# Altium PCB ES_Class6C_2L.PcbDoc (part 2 of 2)
Units mm, origin at the board's own origin, x right, y up, seen from the top; angles counter-clockwise.
Board outline 35 x 74.03 mm, 4 copper layers (Top Layer, Layer 1, Layer 2, Bottom Layer), stack 1.536 mm thick; 108 components, 95 nets, 399 pads, 264 vias.
Unrouted connection lines stored in the file: 113.
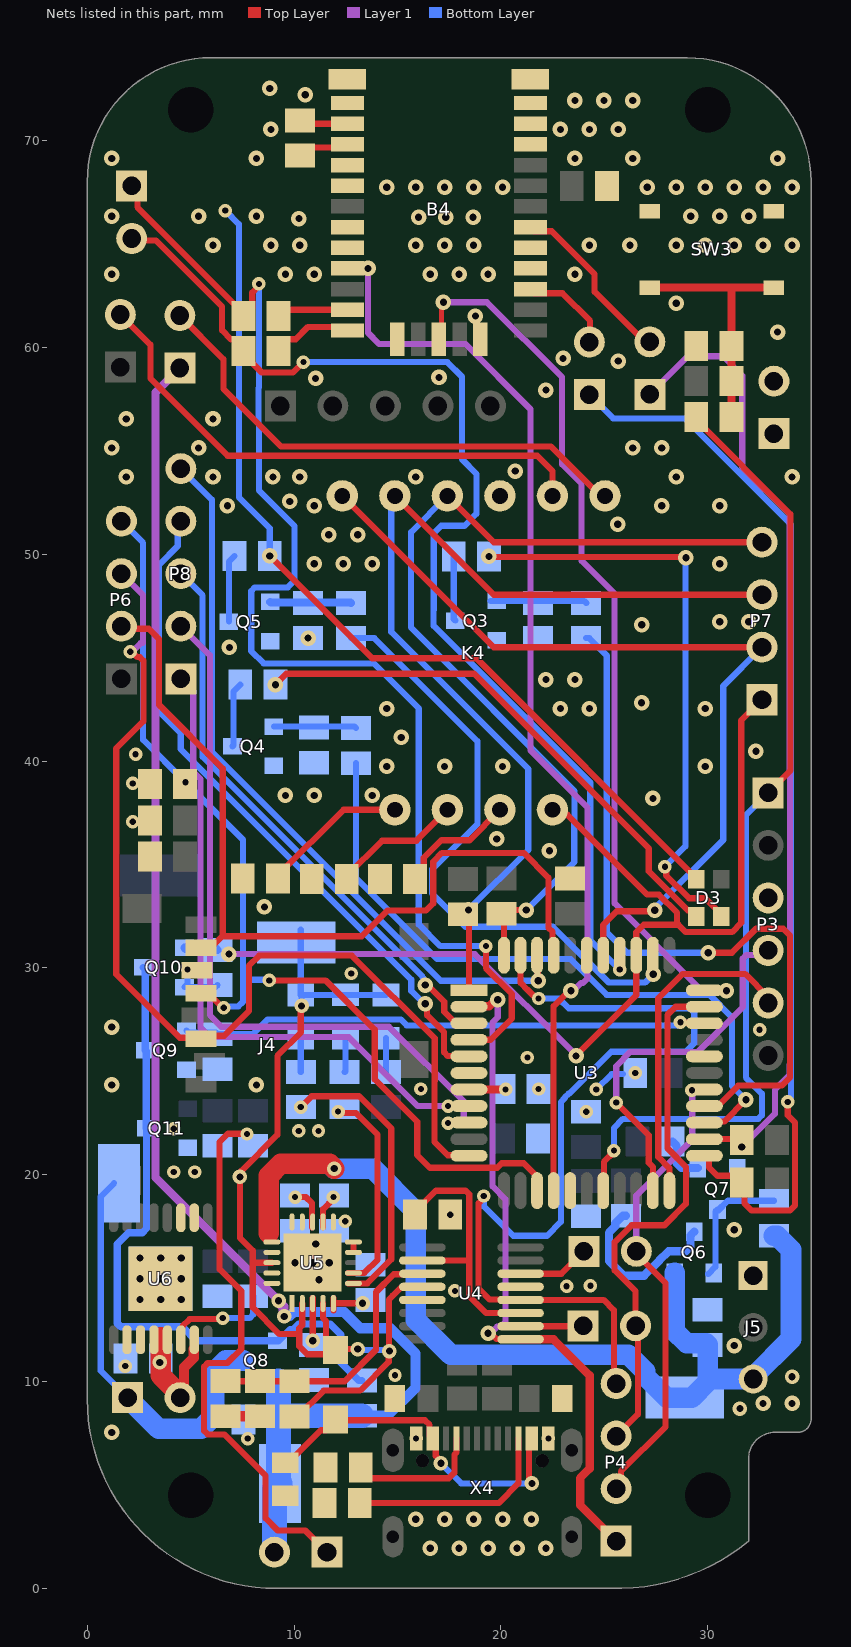
[diagram p4: the nets of this part, all layers, seen from the top]

## Via types
v1: diameter 0.75, hole 0.35, Top Layer to Bottom Layer, 170 vias
v2: diameter 0.65, hole 0.3, Top Layer to Bottom Layer, 65 vias
v3: diameter 0.7, hole 0.35, Top Layer to Bottom Layer, 29 vias

## Nets (pads, with @x,y where several pads share a name; then routed paths per layer and width w, separated by ;. In a path a pad name is that pad's centre, name@x,y a point inside that pad or via, vN(x,y) a via of type N, cw(c..) or ccw(c..) an arc to the next point about the centre after c; other vN are vias at no path point) (continued)
GND: B4.4 B4.5 B4.10 B4.11 B4.12 B4.13 B4.14 B4.15 B4.18 B4.19 B4.21 B4.22 B4.27 B4.31 C3.2 C4.2 C5.2 C6.2 C8.2 C9.2 C10.2 C11.2 C12.2 C13.2 C14.1 C15.1 C16.1 C17.1 C18.2 C19.2 C20.2 C21.2 C22.2 GND.1 GND.2 J4.6 J5.1 K4.3 P3.3 Q3.2 Q4.2 Q5.2 Q7.2 Q9.2 Q10.2 Q11.2 R11.1 R13.1 R15.1 R16.2 R17.2 R21.1 R22.1 R23.1 R24.1 R33.1 R34.1 R35.1 R36.1 R37.1 R42.1 R43.1 R44.1 SW3.3 SW3.4 U3.6 U3.16 U3.29 U3.39 U4.5 U4.13 U5.9 U5.10 U5.11 U5.21 U6.10 U6.11 X4.A1B12 X4.B1A12 | length 6.2
  Top Layer w0.3: U5.9@12.87,16.3 U5.10@12.87,16.7
  Top Layer w0.5: C17.1@6.675,8.325 R21.1@8.35,8.325
  Bottom Layer w0.3: v2(4.851,29.925) 4.851,29.226 Q10.2@4.7,29.075 6.2,29.075 R44.1@6.3,29.175 ; v2(24.614,24.128) 25.355,24.869 25.904,24.869
  other v1: 16.58,1.946 17.98,1.946 19.38,1.946 20.78,1.946 22.18,1.946 15.88,3.346 17.28,3.346 18.68,3.346 20.08,3.346 21.48,3.346 1.18,7.546 32.68,8.946 34.08,8.946 31.28,11.746 2.55,13.975 3.55,13.975 4.55,13.975 2.55,14.975 3.55,14.975 4.55,14.975 2.55,15.975 3.55,15.975 4.55,15.975 31.28,17.346 1.18,24.346 8.18,24.346 1.18,27.146 8.57,32.952 22.349,35.673 19.805,36.241 27.355,38.196 9.58,38.346 10.98,38.346 13.78,38.346 14.48,39.746 17.28,39.746 20.08,39.746 29.88,39.746 32.335,40.475 15.18,41.146 14.48,42.546 22.88,42.546 24.28,42.546 29.88,42.546 26.801,42.824 22.18,43.946 23.58,43.946 6.874,45.499 10.675,45.95 26.815,46.596 30.58,46.746 31.98,46.746 10.98,49.546 12.38,49.546 13.78,49.546 30.58,49.546 11.68,50.946 13.08,50.946 25.65,51.459 6.78,52.346 10.98,52.346 27.78,52.346 30.58,52.346 9.793,52.559 1.88,53.746 6.08,53.746 8.976,53.746 10.28,53.746 15.88,53.746 28.48,53.746 34.08,53.746 20.7,54.026 1.18,55.146 5.38,55.146 26.38,55.146 27.78,55.146 1.88,56.546 6.08,56.546 22.18,57.946 11.038,58.508 17.008,58.557 25.68,59.346 23.005,59.471 33.38,60.746 18.768,61.52 28.48,62.146 1.18,63.546 9.58,63.546 10.98,63.546 16.58,63.546 17.98,63.546 19.38,63.546 23.58,63.546 6.08,64.946 8.88,64.946 10.28,64.946 15.88,64.946 17.28,64.946 18.68,64.946 24.28,64.946 26.241,64.946 28.48,64.946 29.88,64.946 31.28,64.946 32.68,64.946 34.08,64.946 10.236,66.234 16.018,66.306 17.333,66.306 18.655,66.306 1.18,66.346 5.38,66.346 8.18,66.346 29.18,66.346 30.58,66.346 31.98,66.346 14.48,67.746 15.88,67.746 17.28,67.746 18.68,67.746 20.08,67.746 27.08,67.746 28.48,67.746 29.88,67.746 31.28,67.746 32.68,67.746 34.08,67.746 1.18,69.146 8.18,69.146 23.58,69.146 26.38,69.146 33.38,69.146 8.88,70.546 22.88,70.546 24.28,70.546 25.68,70.546 23.58,71.946 24.98,71.946 26.38,71.946 10.545,72.221 8.825,72.529
  other v2: 7.76,7.246 15.9,7.255 22.3,7.255 14.881,10.306 1.837,10.751 17.776,14.384 23.18,14.616 24.329,14.639 12.475,17.75 17.55,18.073 4.18,20.136 5.197,20.136 10.23,22.124 11.183,22.124 4.18,22.226 24.125,23.05 16.135,24.15 21.825,24.15 26.5,24.925 21.286,25.672 32.506,27.012 12.766,29.735 2.2,37.075 2.2,38.925 2.34,40.339
  other v3: 31.559,8.699 34.08,10.237 11.2,14.925 10.05,15.75 10.9,15.75 11.7,15.75 11.05,16.65
INT_IMU: K4.7 P7.1 Q10.1 R44.2 U3.36 | length 53.1
  Top Layer w0.3: K4.7@22.495,37.65 22.729,37.416 23.216,37.416 27.081,33.551 27.639,33.551 28.519,32.671 28.519,32.152 28.582,32.089 ; v1(23.637,25.749) 23.637,25.777 26.55,28.69 U3.36@26.55,30.616 26.55,31.672 26.55,31.732 26.907,32.089 28.582,32.089 ; P7.1@32.625,42.97 31.625,41.97 31.625,32.183 31.181,31.739 28.932,31.739 28.582,32.089
  Layer 1 w0.3: v1(6.849,30.675) 18.739,30.675 23.637,25.777 v1(23.637,25.749)
  Bottom Layer w0.4: Q10.1@4.7,30.975 4.75,30.925 6.25,30.925 R44.2@6.3,30.875
LED_B: R10.2 U3.26 | length 36.2
  Top Layer w0.3: U3.26@29.841,23.325 30.478,23.325 31.468,24.315 33.59,24.315 33.976,24.701 33.976,31.574 33.649,31.901 32.335,31.901 31.171,30.737 v1(30.025,30.737)
  Bottom Layer w0.3: R10.2@24.125,45.95 24.275,45.95 25.115,45.11 25.115,31.73 26.108,30.737 v1(30.025,30.737)
LED_G: R12.2 U3.25 | length 33.2
  Top Layer w0.3: U3.25@29.841,22.525 29.892,22.576 30.796,22.576 v1(31.846,23.626)
  Bottom Layer w0.3: R12.2@13,39.9 13,34.344 16.912,30.431 23.388,30.431 25.12,28.7 30.088,28.7 31.17,27.618 31.17,24.302 v1(31.846,23.626)
LED_R: R14.2 U3.35 | length 30
  Top Layer w0.3: U3.35@27.35,30.616 27.372,30.594 v1(27.372,29.694)
  Bottom Layer w0.3: R14.2@12.75,45.95 13.877,45.95 18.865,40.962 18.865,36.961 16.684,34.78 16.684,33.599 18.289,31.995 22.516,31.995 25.211,29.299 26.971,29.299 27.366,29.694 v1(27.372,29.694)
MCLR: P3.1 R6.1 U3.18 | length 47.5
  Top Layer w0.3: U3.18@24.95,19.234 24.982,19.266 24.982,20.621 25.464,21.103 v2(25.464,21.171) ; R6.1@29.45,56.65 29.45,56.5 34,51.95 34,39.545 P3.1@32.925,38.47
  Bottom Layer w0.3: v2(25.464,21.171) 25.464,22.26 25.904,22.7 32.449,22.7 32.625,22.876 32.625,23.925 31.846,24.704 31.846,37.391 P3.1@32.925,38.47
MISO: J4.7 P6.2 U3.41 | length 41.9
  Top Layer w0.3: P6.2@1.65,46.525 1.769,46.406 2.974,46.406 3.474,45.906 3.474,42.717 6.551,39.64 6.551,31.56 6.523,31.532 ; J4.7@5.5,30.985 J4.7@6.1,31.11 ; J4.7@6.101,31.11 6.523,31.532 ; U3.41@22.55,30.616 22.499,30.667 22.499,31.75 22.301,31.948 22.301,34.366 21.102,35.565 17.15,35.565 16.726,35.142 16.726,33.125 16.374,32.773 14.517,32.773 13.276,31.532 6.523,31.532
MOSI: J4.3 P6.3 U3.11 | length 49.2
  Top Layer w0.3: v2(2.074,45.293) 2.169,45.293 2.426,45.036 2.542,45.036 2.715,44.863 2.715,41.93 1.401,40.616 1.401,33.702 1.399,33.7 1.399,32.05 1.401,32.048 1.401,29.698 4.476,26.623 5.461,26.623 J4.3@5.5,26.585 ; J4.3@5.65,26.575 5.799,26.724 6.624,26.724 7.82,27.92 7.82,30.105 8.316,30.601 12.8,30.601 16.801,26.6 16.801,24.55 16.795,24.544 16.795,21.58 17.431,20.944 18.439,20.944 U3.11@18.459,20.925
  Layer 1 w0.3: P6.3@1.65,49.065 2.701,48.014 2.701,45.709 2.585,45.709 2.169,45.293 v2(2.074,45.293)
NC1: P8.1 U3.8 | length 31.8
  Top Layer w0.3: v2(17.45,23.325) U3.8@18.459,23.325
  Layer 1 w0.3: P8.1@4.525,43.985 5.125,43.385 5.125,39.487 5.477,39.135 5.477,27.098 5.917,26.658 12.64,26.658 15.973,23.325 v2(17.45,23.325)
NC2: P8.2 U3.9 | length 36.1
  Top Layer w0.3: v2(17.45,22.5) 17.462,22.513 18.446,22.513 U3.9@18.459,22.525
  Layer 1 w0.3: P8.2@4.525,46.525 5.928,45.122 5.928,27.722 6.488,27.162 14.588,27.162 18.202,23.548 18.202,22.743 18.026,22.567 17.517,22.567 v2(17.45,22.5)
NC3: P8.3 U3.3 | length 28
  Top Layer w0.3: v1(16.344,29.174) 16.459,29.174 17.265,28.368 17.264,28.367 17.264,27.883 17.822,27.325 U3.3@18.459,27.325
  Bottom Layer w0.3: P8.3@4.525,49.065 5.576,48.014 5.576,40.205 16.215,29.566 16.215,29.539 16.258,29.496 16.258,29.26 v1(16.344,29.174)
NC4: P8.4 U3.5 | length 33.1
  Top Layer w0.3: v1(16.346,28.273) 16.432,28.187 16.432,27.712 17.252,26.892 17.252,25.917 17.428,25.742 18.442,25.742 U3.5@18.459,25.725
  Bottom Layer w0.3: P8.4@4.525,51.605 4.379,51.459 4.379,50.405 3.474,49.5 3.474,42.394 4.525,41.343 4.525,40.584 15.668,29.441 15.668,28.894 16.289,28.273 v1(16.346,28.273)
NC5: P8.5 U3.42 | length 35.9
  Top Layer w0.3: U3.42@21.75,30.616 21.781,30.586 21.781,29.417 v1(21.811,29.386)
  Bottom Layer w0.3: P8.5@4.525,54.145 6.027,52.643 6.027,40.447 17.088,29.386 v1(21.811,29.386)
NetB4_3: B4.3 W8.2 | length 4.6
  Top Layer w0.3: B4.3@21.425,62.825 21.625,62.625 22.975,62.625 24.311,61.289 24.311,60.301 W8.2@24.275,60.265
NetB4_6: B4.6 W9.2 | length 8.6
  Top Layer w0.3: B4.6@21.425,65.825 21.625,65.625 22.457,65.625 24.528,63.554 24.528,62.703 26.956,60.275 W9.2@27.2,60.275
NetB4_16: B4.16 R27.2 | length 2.4
  Top Layer w0.3: R27.2@10.28,70.981 10.436,70.825 B4.16@12.575,70.825
NetB4_17: B4.17 R27.1 | length 2.5
  Top Layer w0.3: R27.1@10.28,69.281 10.674,69.675 12.425,69.675 B4.17@12.575,69.825
NetB4_25: B4.25 R25.2 | length 3.4
  Top Layer w0.3: R25.2@9.25,61.525 9.55,61.825 B4.25@12.575,61.825
NetB4_26: B4.26 R26.2 | length 4
  Top Layer w0.3: R26.2@9.25,59.825 9.25,59.975 9.675,60.4 10.078,60.4 10.674,60.996 12.404,60.996 B4.26@12.575,60.825
NetBTN5_1: BTN.1 R41.2 | length 26.8
  Top Layer w0.3: v2(7.725,21.974) 7.711,21.988 6.8,21.988 6.4,21.588 6.4,15.434 7.45,14.384 7.45,11.575 6.776,10.901 5.825,10.901 5.649,10.725 5.649,9.076 5.649,7.625 5.825,7.449 6.625,7.449 8.624,5.45 8.624,3.384 9.207,2.801 10.539,2.801 BTN.1@11.59,1.75
NetC8_1: C8.1 R5.2 R6.2 SW3.1 SW3.2 | length 12.3
  Top Layer w0.4: SW3.2@27.2,62.9 31.15,62.9 ; R6.2@31.15,56.65 R5.2@31.15,58.375 31.15,62.9 ; SW3.1@33.2,62.9 31.15,62.9
NetC9_1: C9.1 U3.7 | length 1.8
  Top Layer w0.3: U3.7@18.459,24.125 U3.7@18.462,24.128 ; v2@20.223,24.128 v2(20.226,24.131)
  Top Layer w0.4: U3.7@18.462,24.128 v2@20.223,24.128
NetC13_1: C13.1 U4.3 U4.10 | length 13.3
  Top Layer w0.3: C13.1@15.85,18.073 15.85,18.223 16.861,19.234 18.294,19.234 18.469,19.058 18.469,15.855 ; U4.10@16.2,15.855 18.469,15.855 ; U4.3@20.95,13.315 19.284,13.315 18.469,14.129 18.469,15.855
NetC14_2: C14.2 L4.2 X4.A4B9 X4.B4A9 | length 17.2
  Top Layer w0.3: C14.2@9.575,6.075 9.725,6.075 11.3,7.65 11.55,7.65 12,8.1 L4.2@12,8.175 12.044,8.131 16.325,8.131 16.55,7.906 16.55,7.405 X4.A4B9@16.7,7.255 16.85,7.105 16.85,6.408 17.1,6.158 v3(17.1,6.05) ; X4.B4A9@21.5,7.255 21.364,7.119 21.364,5.32 21.501,5.183 v3(21.501,5.075)
  Bottom Layer w0.3: v3(17.1,6.05) 18.075,5.075 v3(21.501,5.075)
NetC17_2: C17.2 R20.1 R21.2 U4.11 | length 13.2
  Top Layer w0.3: C17.2@6.825,10.017 8.4,10.017 R20.1@10.025,10.017 12.446,10.017 13.962,11.533 13.962,14.333 14.819,15.191 15.176,15.191 15.185,15.201 16.181,15.201 U4.11@16.2,15.22
NetC21_1: C21.1 U6.2 U6.3 U6.4 U6.5 U6.7 W10.2 | length 5.5
  Top Layer w0.5: W10.2@4.649,9.591 4.681,9.624 4.681,10.687 5.151,11.157 U6.7@5.151,11.575
  Top Layer w1: 3.55,12.148 3.55,10.3 4.49,9.36 W10.2@4.49,9.225
  other v3: 3.5,10.925
NetD3_2: D3.2 R9.1 | length 44.7
  Top Layer w0.3: v1(8.825,49.925) 13.775,44.975 18.822,44.975 29.457,34.34 D3.2@29.457,34.29
  Bottom Layer w0.3: v2(6.675,66.623) 6.684,66.623 7.333,65.973 7.333,52.759 8.825,51.267 v1(8.825,49.925)
NetD3_3: D3.3 R8.1 | length 26.1
  Top Layer w0.3: v1(9.1,43.7) 9.626,44.226 18.707,44.226 27.149,35.784 27.149,34.679 29.038,32.79 29.207,32.79 29.457,32.54 D3.3@29.457,32.49
NetD3_4: D3.4 R7.1 | length 28.9
  Top Layer w0.3: v1(19.425,49.9) 19.454,49.871 28.921,49.871 v1(28.95,49.842) ; v2(27.933,34.899) 28,34.832 28,34.471 29.099,33.372 29.884,33.372 30.407,32.849 30.407,32.74 D3.4@30.657,32.49
  Bottom Layer w0.3: v2(27.933,34.899) 28.925,35.89 28.925,49.817 v1(28.95,49.842)
NetD5_1: D5.1 R28.2 | length 1.6
  Bottom Layer w0.3: R28.2@14.45,24.975 D5.1@14.45,26.6
NetD6_1: D6.1 R29.2 | length 1.6
  Bottom Layer w0.3: R29.2@12.45,24.975 12.487,25.012 D6.1@12.487,26.604
NetD7_1: D7.1 R30.1 | length 1.6
  Bottom Layer w0.3: R30.1@10.325,24.975 D7.1@10.325,26.6
NetK4_1: K4.1 W6.2 | length 25
  Top Layer w0.3: W6.2@4.475,61.55 6.582,59.443 6.582,58.002 9.362,55.222 22.407,55.222 24.802,52.827 K4.1@25.035,52.827
NetK4_2: K4.2 W7.2 | length 26.2
  Top Layer w0.3: W7.2@1.6,61.596 3.051,60.145 3.051,58.508 6.788,54.771 21.758,54.771 22.495,54.034 K4.2@22.495,52.827
NetK4_8: K4.8 R24.2 | length 5.8
  Top Layer w0.3: R24.2@15.85,34.3 16.275,34.725 16.275,35.328 17.125,36.179 18.484,36.179 K4.8@19.955,37.65
NetK4_9: K4.9 R23.2 | length 6.3
  Top Layer w0.3: R23.2@12.55,34.3 12.55,34.45 14.253,36.153 15.918,36.153 K4.9@17.415,37.65
NetK4_10: K4.10 R22.2 | length 7.1
  Top Layer w0.3: R22.2@9.22,34.325 9.22,34.475 12.395,37.65 K4.10@14.875,37.65
NetQ3_1: Q3.1 R10.1 R11.2 | length 4.7
  Bottom Layer w0.3: Q3.1@19.5,47.75 24.025,47.75 R10.1@24.125,47.65
NetQ3_3: Q3.3 R7.2 | length 3.1
  Bottom Layer w0.3: R7.2@17.725,49.9 17.725,46.875 Q3.3@17.8,46.8
NetQ4_1: Q4.1 R12.1 R13.2 | length 4
  Bottom Layer w0.3: Q4.1@9.025,41.675 12.925,41.675 R12.1@13,41.6
NetQ4_3: Q4.3 R8.2 | length 3.1
  Bottom Layer w0.3: Q4.3@7.025,40.725 7.075,40.775 7.075,43.375 R8.2@7.4,43.7
NetQ5_1: Q5.1 R14.1 R15.2 | length 3.9
  Bottom Layer w0.4: Q5.1@8.85,47.7 8.875,47.675 12.725,47.675 R14.1@12.75,47.65
NetQ5_3: Q5.3 R9.2 | length 3.3
  Bottom Layer w0.3: Q5.3@6.85,46.75 6.85,49.65 R9.2@7.125,49.925
NetQ6_1: Q6.1 Q7.3 R31.1 | length 6.2
  Bottom Layer w0.3: Q6.1@30.025,15.2 30.375,15.55 30.375,18.225 Q7.3@30.475,18.325 ; Q7.3@30.475,18.25 30.975,18.75 R31.1@33.2,18.75
NetQ6_3: Q6.3 R32.2 | length 8.2
  Bottom Layer w0.4: R32.2@26.05,18.025 25.9,18.025 25.525,17.65 25.525,17.5 25.225,17.2 25.225,15.834 25.934,15.125 26.932,15.125 27.651,15.844 27.651,15.847 28.104,16.3 28.933,16.3 29.167,16.534 29.167,17.067 Q6.3@29.35,17.25
NetQ7_1: Q7.1 R38.2 | length 2.3
  Bottom Layer w0.4: R38.2@28.3,21.6 28.491,21.409 28.491,20.559 28.725,20.325 Q7.1@29.525,20.325
NetQ8_1: Q8.1 Q9.3 Q10.3 Q11.3 R40.1 | length 32.7
  Bottom Layer w0.35: Q10.3@2.7,30.025 2.8,29.925 Q9.3@2.8,26.025 2.85,25.975 Q11.3@2.85,22.25 2.866,22.234 2.866,17.405 2.661,17.2 1.998,17.2 1.45,16.652 1.45,12.827 1.626,12.651 4.6,12.651 5.276,11.975 9.25,11.975 9.799,12.524 9.95,12.524 10.214,12.787 11.744,12.787 12.256,12.275 12.256,10.919 13.125,10.05 R40.1@13.275,10.05
NetR16_1: R16.1 X4.A5 | length 6.6
  Top Layer w0.3: R16.1@13.225,5.85 13.225,5.754 13.65,5.329 17.482,5.329 17.751,5.598 17.751,6.472 17.85,6.571 X4.A5@17.85,7.255
NetR17_1: R17.1 X4.B5 | length 10.2
  Top Layer w0.3: R17.1@13.175,4.125 19.9,4.125 20.85,5.075 X4.B5@20.85,7.255
NetR29_1: R29.1 U5.7 | length 10.1
  Top Layer w0.3: v2(12.126,23.054) 12.193,22.987 12.997,22.987 14.039,21.946 14.039,15.891 13.403,15.255 U5.7@12.605,15.255
NetR30_2: R30.2 U5.6 | length 14.1
  Top Layer w0.3: v2(10.325,23.275) 10.845,23.795 13.144,23.795 14.696,22.243 14.696,15.91 13.535,14.75 U5.6@12.87,14.75 U5.6@12.605,14.75
NetR34_2: R34.2 U5.5 | length 2
  Top Layer w0.3: U5.5@11.905,13.449 U5.5@11.905,14.046 ; U5.5@11.93,13.792 v3(13.311,13.792)
NetR35_2: R35.2 U5.12 | length 1.7
  Top Layer w0.3: U5.12@11.4,17.451 U5.12@11.4,17.72 11.4,18.33 11.9,18.83 v2(11.9,18.925)
NetR36_2: R36.2 U5.13 | length 2.1
  Top Layer w0.3: v2(10.05,18.925) 10.577,18.925 10.87,18.633 U5.13@10.87,17.455
NetR37_2: R37.2 U5.3 | length 2.1
  Top Layer w0.3: v3(10.899,11.975) U5.3@10.9,13.78 ; U5.3@10.9,13.78 U5.3@10.9,14.046
NetR39_2: R39.2 U6.6 | length 5.2
  Top Layer w0.3: U6.6@4.525,12.025 4.525,12.541 4.6,12.616 4.6,12.669 4.957,13.026 5.393,13.026 6.502,13.026 v2(6.55,13.074)
  Bottom Layer w0.3: v2(6.55,13.074) 7.849,13.074 8.025,13.25 R39.2@8.025,14.125
NetU4_2: U4.2 W4.1 | length 3.2
  Top Layer w0.3: U4.2@20.95,12.68 W4.1@23.637,12.68 ; W4.1@23.637,12.905 W4.1@23.975,13.242
NetU4_6: U4.6 W5.1 | length 3.5
  Top Layer w0.3: U4.6@20.95,15.22 22.93,15.22 W5.1@24.01,16.3
PGEC2: P3.5 U3.22 | length 16.1
  Top Layer w0.3: U3.22@28.15,19.234 28.15,20.32 27.605,20.864 27.605,28.528 28.788,29.711 31.809,29.711 32.925,28.595 P3.5@32.925,28.31
PGED2: P3.4 U3.21 | length 17.8
  Top Layer w0.3: v2(25.575,23.49) 27.154,21.911 27.154,20.578 27.35,20.383 U3.21@27.35,19.234
  Layer 1 w0.3: v2(25.575,23.49) 25.575,25.251 26.266,25.943 29.53,25.943 31.696,28.108 31.696,30.452 31.872,30.628 32.703,30.628 P3.4@32.925,30.85
PWR_HOLD: Q9.1 R43.2 U3.31 | length 25.6
  Top Layer w0.3: v2(28.682,27.378) 28.709,27.352 29.815,27.352 U3.31@29.841,27.325
  Bottom Layer w0.3: Q9.1@4.8,26.975 4.887,26.888 6.212,26.888 R43.2@6.3,26.8 8.007,26.8 8.722,27.515 15.161,27.515 15.45,27.226 v2@28.615,27.226 ; v2@28.615,27.311 v2(28.682,27.378)
RESET_N: B4.23 U3.15 | length 53.3
  Top Layer w0.3: B4.23@12.575,63.825 v1(13.575,63.825) ; U3.15@22.55,19.234 22.55,28.147 23.302,28.9 v1(23.386,28.9)
  Layer 1 w0.3: v1(13.575,63.825) 13.575,60.705 14.103,60.177 18.283,60.177 21.432,57.028 21.432,40.518 24.184,37.766 24.184,29.489 23.972,29.277 23.885,29.277 23.507,28.9 v1(23.386,28.9)
RST_IMU: K4.6 P7.2 U3.38 | length 42.4
  Top Layer w0.3: K4.6@12.335,52.827 19.652,45.51 P7.2@32.625,45.51 ; U3.38@24.95,30.616 24.95,32.085 25.605,32.74 27.394,32.74 v1(27.444,32.79)
  Bottom Layer w0.3: v1(27.444,32.79) 27.444,32.883 30.75,36.189 30.75,43.635 P7.2@32.625,45.51
SCK: C12.1 J4.5 P6.4 U3.14 | length 49.5
  Top Layer w0.3: J4.5@5.5,28.785 5.85,28.785 6.56,28.075 v2(6.6,28.075) ; v2(8.8,29.4) 11.52,29.4 13.901,27.019 13.901,24.614 15.953,22.562 15.953,20.955 16.567,20.341 19.82,20.341 20.038,20.559 21.108,20.559 21.75,19.917 U3.14@21.75,19.234
  Bottom Layer w0.3: P6.4@1.65,51.605 2.7,50.555 2.7,49.501 2.701,49.5 2.701,43.11 2.7,43.109 2.7,41.027 v2(4.75,38.977) 7.531,36.196 7.531,29.428 ; v2(6.6,28.075) 6.667,28.142 7.306,28.142 7.531,28.367 7.531,29.428 ; v2(8.8,29.4) 8.772,29.428 7.531,29.428
SCL1: K4.4 P7.4 R4.1 U3.44 | length 44.3
  Top Layer w0.3: K4.4@17.415,52.827 19.652,50.59 P7.4@32.625,50.59 ; U3.44@20.15,30.616 20.15,32.5 20.15,32.6 20.35,32.8 v1(21.226,32.8)
  Bottom Layer w0.3: K4.4@17.415,52.827 15.658,51.07 15.658,46.459 23.558,38.559 23.558,37.21 23.55,37.202 23.55,35.124 v1(21.226,32.8)
SCL2: R2.1 U3.24 W9.1 | length 46.6
  Top Layer w0.3: U3.24@29.841,21.725 31.375,21.725 R2.1@31.538,21.562
  Layer 1 w0.3: W9.1@27.2,57.735 29.04,59.575 30.741,59.575 31.675,58.641 31.675,54.225 33.97,51.93 33.97,39.351 33.976,39.345 33.976,25.335 33.97,25.328 33.97,24.837 33.249,24.116 33.249,22.949 v1(31.65,21.35)
SDA1: K4.5 P7.3 R3.1 U3.1 | length 47.9
  Top Layer w0.3: K4.5@14.875,52.827 19.652,48.05 P7.3@32.625,48.05 ; v1(18.432,32.807) 18.382,32.807 R3.1@18.175,32.6 18.459,32.316 U3.1@18.459,28.925
  Bottom Layer w0.3: K4.5@14.875,52.827 14.7,52.652 14.7,46.25 21.325,39.625 21.325,35.7 v1(18.432,32.807)
SDA2: R1.1 U3.23 W8.1 | length 51.9
  Top Layer w0.3: U3.23@29.841,20.925 29.934,20.925 30.057,20.802 30.057,20.368 30.47,19.955 R1.1@31.895,19.955 ; R1.1@31.65,19.625 31.776,19.499 31.776,18.626 32.134,18.267 33.971,18.267 34.226,18.522 34.226,22.525 33.875,22.876 v2(33.875,23.525)
  Bottom Layer w0.3: W8.1@24.275,57.725 25.425,56.575 28.894,56.575 34.023,51.446 34.023,23.767 33.875,23.62 v2(33.875,23.525)
TIMEPULSE: B4.29 U3.33 | length 43.9
  Top Layer w0.25: B4.29@17,60.4 17.125,60.525 17.125,62.1 v1(17.221,62.196)
  Top Layer w0.3: U3.33@29.841,28.925 29.854,28.912 30.893,28.912 v1(30.906,28.9)
  Layer 1 w0.3: v1(17.221,62.196) 19.325,62.196 22.957,58.564 22.957,54.356 23.9,53.413 23.9,49.694 25.5,48.094 25.5,33.134 27.372,31.263 27.372,31.244 29.716,28.9 v1(30.906,28.9)
U1CTS: P4.3 U3.32 W4.2 | length 25.9
  Top Layer w0.3: P4.3@25.575,7.365 26.626,8.416 W4.2@26.626,12.7 ; W4.2@26.515,12.7 26.515,12.906 26.515,14.372 25.499,15.388 25.499,16.735 26.322,17.558 27.911,17.558 28.95,18.597 28.95,20.379 28.056,21.273 28.056,27.732 28.449,28.125 U3.32@29.841,28.125
U1RTS: P4.2 U3.27 W5.2 | length 22
  Top Layer w0.3: P4.2@25.575,4.825 25.805,5.055 25.805,5.66 27.964,7.819 27.964,14.766 26.55,16.18 W5.2@26.55,16.3
  Layer 1 w0.3: W5.2@26.55,16.3 26.55,18.998 29.25,21.698 29.25,24.071 v2(29.237,24.084)
U1RX: P4.1 U3.2 U4.1 | length 33.2
  Top Layer w0.3: v1(19.382,12.343) 19.503,12.343 19.783,12.064 20.931,12.064 U4.1@20.95,12.045
  Top Layer w0.4: U3.2@18.459,28.125 18.491,28.157 19.444,28.157 19.755,28.468 v1(19.85,28.468) ; U4.1@20.95,12.045 22.555,12.045 24.296,10.304 24.296,5.792 23.837,5.333 23.837,4.023 P4.1@25.575,2.285
  Layer 1 w0.3: v1(19.382,12.343) 19.503,12.343 19.824,12.664 20.01,12.664 20.222,12.876 20.222,18.815 19.6,19.437 19.6,27.369 19.85,27.619 v1(19.85,28.468)
U1TX: P4.4 U3.43 U4.4 | length 45.5
  Top Layer w0.3: v2(19.176,18.976) 19.176,18.881 18.92,18.626 18.92,14.5 19.452,13.969 20.931,13.969 U4.4@20.95,13.95 24.969,13.95 25.464,13.454 25.464,10.016 P4.4@25.575,9.905 ; U3.43@20.95,30.616 20.95,29.29 21.286,28.954 ; 21.287,28.954 21.717,28.524 v2(21.825,28.524)
  Bottom Layer w0.3: v2(19.176,18.976) 19.176,18.472 20.598,17.05 22.232,17.05 22.902,17.72 22.902,23.517 23.099,23.714 23.099,23.75 23.275,23.926 23.311,23.926 25.336,25.951 28.942,25.951 29.35,26.359 29.35,27.839 29.138,28.051 23.279,28.051 22.805,28.524 v2(21.825,28.524)
U2RX: P5.1 R25.1 U3.4 | length 60.6
  Top Layer w0.3: P5.1@2.15,67.815 2.426,67.539 2.426,66.791 7.117,62.1 7.125,62.1 7.55,61.675 R25.1@7.55,61.525 7.975,61.95 7.975,62.655 8.3,62.98 v2(8.3,63.075) ; U3.4@18.459,26.525 18.462,26.528 19.503,26.528 20.526,27.551 20.526,28.748 19.276,29.998 v2(19.276,31.057)
  Bottom Layer w0.3: v2(8.3,63.075) 8.3,58.066 8.284,58.05 8.284,56.3 8.3,56.284 8.3,53.095 10.018,51.377 10.018,48.719 9.7,48.401 8.101,48.401 7.925,48.225 7.925,45.325 8.524,44.726 13.849,44.726 16.025,42.55 16.025,32.11 17.078,31.057 v2(19.276,31.057)
U2TX: P5.2 R26.1 U3.37 | length 54.2
  Top Layer w0.3: P5.2@2.15,65.275 2.246,65.179 3.319,65.179 6.516,61.981 6.516,60.833 6.949,60.4 7.125,60.4 7.55,59.975 R26.1@7.55,59.825 7.55,59.675 8.426,58.799 9.95,58.799 v2@10.45,59.299
  Bottom Layer w0.3: v2(10.45,59.3) 17.412,59.3 18.12,58.592 18.12,54.589 18.82,53.889 18.82,51.962 18.246,51.388 17.12,51.388 16.75,51.018 16.75,47.326 16.749,47.325 16.749,46.545 24.325,38.969 24.325,31.35 v2(25.75,29.925)
VBAT: C20.1 J5.3 Q6.2 R31.2 U5.14 U5.15 U5.16 Vbat5.1 | length 49.2
  Top Layer w1: 8.772,17.189 8.772,19.944 9.358,20.53 11.716,20.53 v3(11.947,20.299)
  Bottom Layer w1: v3(11.947,20.299) 13.814,20.299 15.888,18.225 15.888,12.987 17.569,11.306 22.948,11.306 22.955,11.299 24.995,11.299 25.002,11.306 26.155,11.306 26.976,10.485 26.976,10.264 28.015,9.225 29.235,9.225 30,9.99 Vbat5.1@30,10.125 ; Q6.2@28.4,15.25 28.4,12.436 28.986,11.85 29.046,11.85 29.925,11.85 C20.1@30,11.775 Vbat5.1@30,10.125 ; R31.2@33.2,17.05 33.35,17.05 34.025,16.375 34.025,12.058 32.2,10.233 J5.3@32.2,10.125 Vbat5.1@30,10.125
VBO: BTN.2 C19.1 Q8.2 R40.2 U5.1 U5.20 V_regOUT5.1 W6.1 | length 73.4
  Layer 1 w0.4: W6.1@4.475,59.01 3.3,57.835 3.3,19.861 9.246,13.915 v3(9.251,13.915)
  Layer 1 w0.5: v3(9.251,13.915) 9.289,13.877 9.289,13.818 9.487,13.62 9.487,13.188 v3(9.525,13.15)
  Bottom Layer w0.5: v3(9.525,13.15) 9.563,13.188 9.8,13.188 9.975,13.363 12.42,13.363 13.208,12.575 14.65,12.575 15.875,11.35 15.875,9.707 14.518,8.35 R40.2@13.275,8.35
  Bottom Layer w1.2: BTN.2@9.05,1.75 9.05,4.8 V_regOUT5.1@9.325,5.075 ; V_regOUT5.1@9.25,5.15 C19.1@9.25,8.175 ; Q8.2@9.25,10.025 C19.1@9.25,8.35 ; C19.1@9.275,8.2 C19.1@9.25,8.175 ; R40.2@13.275,8.35 C19.1@9.25,8.35 ; C19.1@9.25,8.175 C19.1@9.25,8.35
VBOI: Q8.3 V_btn.1 W10.1 | length 20
  Bottom Layer w0.3: V_btn.1@1.3,19.6 0.65,18.95 0.65,10.525 W10.1@1.95,9.225
  Bottom Layer w1: W10.1@1.95,9.225 3.45,7.725 5.5,7.725 6.125,8.35 6.125,10.439 6.711,11.025 Q8.3@7.2,11.025 Q8.3@7.55,11.025
VBUS_5V: D5.2 D6.2 D7.2 L4.1 R20.2 U4.12 U5.2 U5.4 U5.17 U5.18 U5.19 V_regIN5.1 | length 47.6
  Top Layer w0.3: U5.18@8.93,15.75 8,15.75 7.999,15.749 ; R20.2@10.025,8.317 10.175,8.317 11.424,9.566 13.193,9.566 14.579,10.952 14.579,11.441 v3(14.613,11.475) ; v3(10.365,28.166) 10.325,28.126 10.325,26.874 9.197,25.746 9.197,21.94 7.46,20.203 7.46,19.977 v3(7.383,19.9) 7.383,16.951 7.999,16.335 7.999,15.749 ; U5.2@10.4,13.78 10.4,12.728 10.248,12.576 10.248,12.297 ; U5.4@11.4,13.78 11.4,13.075 11.551,12.924 L4.1@11.551,12.002 ; v3(13.075,11.575) 12.05,11.575 L4.1@12,11.525 12,11.553 L4.1@11.551,12.002 ; v3@14.588,11.475 14.588,13.967 14.774,14.153 14.774,14.157 15.067,14.451 15.07,14.451 15.154,14.535 15.198,14.535 15.248,14.585 U4.12@16.2,14.585 ; 7.999,15.749 7.999,13.591 9.293,12.297 10.248,12.297 ; 10.248,12.297 10.248,11.705 10.629,11.324 11.55,11.324 11.551,11.325 L4.1@11.551,12.002
  Bottom Layer w0.3: V_regIN5.1@10.325,31.85 D7.2@10.325,28.7 ; v3(10.365,28.166) 10.365,28.66 D7.2@10.325,28.7 ; v3(13.075,11.575) 13.125,11.525 14.563,11.525 v3(14.613,11.475) ; D5.2@14.45,28.7 12.487,28.7 D7.2@10.325,28.7
pads on no net: J4.1 J4.8 J4.9 J4.10 J5.2 P3.6 U4.7 U4.14 U4.15 U4.16 U6.1 U6.8 U6.9 U6.16 X4. X4.A8 X4.B8 X4.S1 X4.S2 X4.S3 X4.S4

## Polygon pours and split planes (outlines as drawn)
+3V3 on Layer 2 "+3V3_L03_P006" (solid, pour order 6): 16.425,32.8 5.645,32.8 4.55,31.705 4.55,16.99 4.21,16.65 2.675,16.65 2.4,16.925 2.4,35.412 4.234,37.246 33.504,37.246 34.188,36.562 34.188,19.638 33.475,18.925 20.25,18.925 19.271,19.904 19.271,29.954
GND on Layer 2 "GND_L03_P008" (solid, remove dead copper, pour order 8): -0.127,-0.081 -0.127,74.75 35.127,74.75 35.127,-0.257
GND on Bottom Layer "GND_L04_P009" (solid, remove dead copper, pour order 9): -0.127,-0.081 -0.127,74.75 35.127,74.75 35.127,-0.257
GND on Layer 1 "GND_L02_P007" (solid, remove dead copper, pour order 7): -0.148,-0.036 -0.148,74.795 35.107,74.795 35.107,-0.212
GND on Top Layer "GND_L01_P005" (solid, remove dead copper, pour order 5): -0.127,-0.081 -0.127,74.75 35.127,74.75 35.127,-0.257

## Keep-outs
Keep-Out Layer:
  region: 27,71.5 ccw(c30,71.5) 30,68.5 ccw(c30,71.5) 33,71.5 ccw(c30,71.5) 30,74.5 ccw(c30,71.5)
  region: 2,71.5 ccw(c5,71.5) 5,68.5 ccw(c5,71.5) 8,71.5 ccw(c5,71.5) 5,74.5 ccw(c5,71.5)
  region: 2,4.5 ccw(c5,4.5) 5,1.5 ccw(c5,4.5) 8,4.5 ccw(c5,4.5) 5,7.5 ccw(c5,4.5)
  region: 27,4.5 ccw(c30,4.5) 30,1.5 ccw(c30,4.5) 33,4.5 ccw(c30,4.5) 30,7.5 ccw(c30,4.5)
  lines w0.6: 6.001,74.008 ccw(c6.001,68.008) 0.001,68.008 0.001,9.133 ccw(c9.151,9.133) 9.151,-0.017 ; 6.013,73.996 29.001,73.996 cw(c29.001,67.996) 35.001,67.996 35.001,7.6
  lines w0.7: 9.151,-0.017 25.851,-0.017 ccw(c25.563,10.121) 31.981,2.268 31.981,6.259 cw(c33.251,6.259) 33.251,7.529 34.355,7.529 ccw(c34.355,8.175) 35.001,8.175

## Other copper
Top Layer:
  region net +3V3: 3.88,16.825 1.975,16.825 cw(c1.975,17.1) 1.7,17.1 1.7,18.487 cw(c1.838,18.487) 1.838,18.625 3.876,18.625 cw(c3.877,18.402) 4.1,18.401 4.1,17.045 cw(c3.88,17.045)
  region net VBAT: 9.344,16.719 9.344,17.244 cw(c9.406,17.244) 9.406,17.306 10.406,17.306 ccw(c10.406,17.425) 10.525,17.425 10.525,18.025 ccw(c10.4,18.025) 10.4,18.15 8.76,18.15 ccw(c8.63,17.795) 8.275,17.925 8.275,16.625 8.5,16.625 9.25,16.625 ccw(c9.25,16.719)
  region net VBO: 9.654,12.781 9.247,12.781 8.4,13.627 8.4,14.875 9.346,14.875 9.346,14.375 ccw(c9.5,14.352) 9.477,14.198 10.075,14.198 10.075,13.149
  region net VBUS_5V: 8.55,16.4 9.215,16.4 cw(c9.215,16.271) 9.344,16.271 9.344,15.249 cw(c9.22,15.249) 9.22,15.125 8.525,15.125 cw(c8.525,15.25) 8.4,15.25 8.4,16.25 cw(c8.55,16.25)
  region net NetC21_1: 4.125,12.625 4.125,11.625 cw(c3.825,11.625) 3.825,11.325 1.936,11.325 cw(c1.936,11.586) 1.675,11.586 1.675,11.71 1.675,12.585 cw(c2.115,12.435) 2.115,12.9 3.85,12.9 cw(c3.85,12.625)
  region net +3V3: 22.85,68.55 22.85,66.8 24,66.8 24,68.55
  region net SDA1: 17.45,33.25 18.9,33.25 18.9,32.025 17.45,32.025
Layer 1:
  region net GND: 9.525,17.15 9.525,14.35 9.535,14.34 12.325,14.34 12.325,17.15
Layer 2:
  region net GND: 9.516,17.148 9.516,14.348 9.525,14.338 12.316,14.338 12.316,17.148
Bottom Layer:
  region net GND: 9.325,17.875 9.325,14.825 ccw(c9.775,14.825) 9.775,14.375 12.15,14.375 ccw(c12.15,14.875) 12.65,14.875 12.65,17.875
  region net INT_IMU: 7.15,30.3 7.225,30.3 7.225,31.45 7.15,31.45
  region net GND: 8.125,7.5 8.125,7.121 7.929,6.925 7.16,6.925 6.976,7.109 6.976,7.5
  region net NetBTN5_1: 7.3,21.825 7.3,22.35 8.375,22.35 8.748,21.978 8.748,21.799
  region net INT_IMU: 5.55,31.45 7.15,31.45 7.15,30.3 5.55,30.3
  region net BAT_STAT: 13.8,23.85 13.5,23.85 13.5,22.7 14,22.7

## Silkscreen, mask and mechanical layers (free items; w line width, h text height)
Bottom Dims:
  lines w0.15: -10.426,55.727 -10.426,63.347 -7.916,63.347 -7.916,55.727 -10.426,55.727
Components Courtyards:
  lines w0.1: -9.671,59.537 -8.671,59.537 ; -9.171,59.037 -9.171,60.037
  lines w0.2: -12.551,55.527 -12.551,63.547 -5.791,63.547 -5.791,55.527 -12.551,55.527
Board Outline (ES):
  lines w0.254: 6,74.025 ccw(c6,68.025) 0,68.025 0,9.15 ccw(c9.15,9.15) 9.15,0 25.85,0 ccw(c25.562,10.138) 31.98,2.285 31.98,6.276 cw(c33.25,6.276) 33.25,7.546 34.354,7.546 ccw(c34.354,8.192) 35,8.192 35,9.15 35,68.013 ccw(c29,68.013) 29,74.013 6.013,74.013 ; 17.5,73 17.5,73

## Text inside footprints (layer, text, board x,y; h text height)
K4: Top Overlay "PS1" at 15.637,39.429 h1.52 r90; Top Overlay "PS0" at 18.135,39.429 h1.52 r90; Top Overlay "ADR" at 20.632,39.429 h1.52 r90; Top Overlay "INT" at 23.13,39.429 h1.52 r90; Top Overlay "RST" at 12.843,46.922 h1.52 r90; Top Overlay "SDA" at 15.408,46.922 h1.52 r90; Top Overlay "SCL" at 17.974,46.922 h1.52 r90; Top Overlay "GND" at 20.539,46.922 h1.52 r90; Top Overlay "3V" at 23.105,48.445 h1.52 r90; Top Overlay "Vin" at 25.67,47.175 h1.52 r90
X4: Top 3D Body "PCB EDGE" at 24.5,0 h0.41